# Altium PCB uAMDC.PcbDoc (part 1 of 6) (continued)
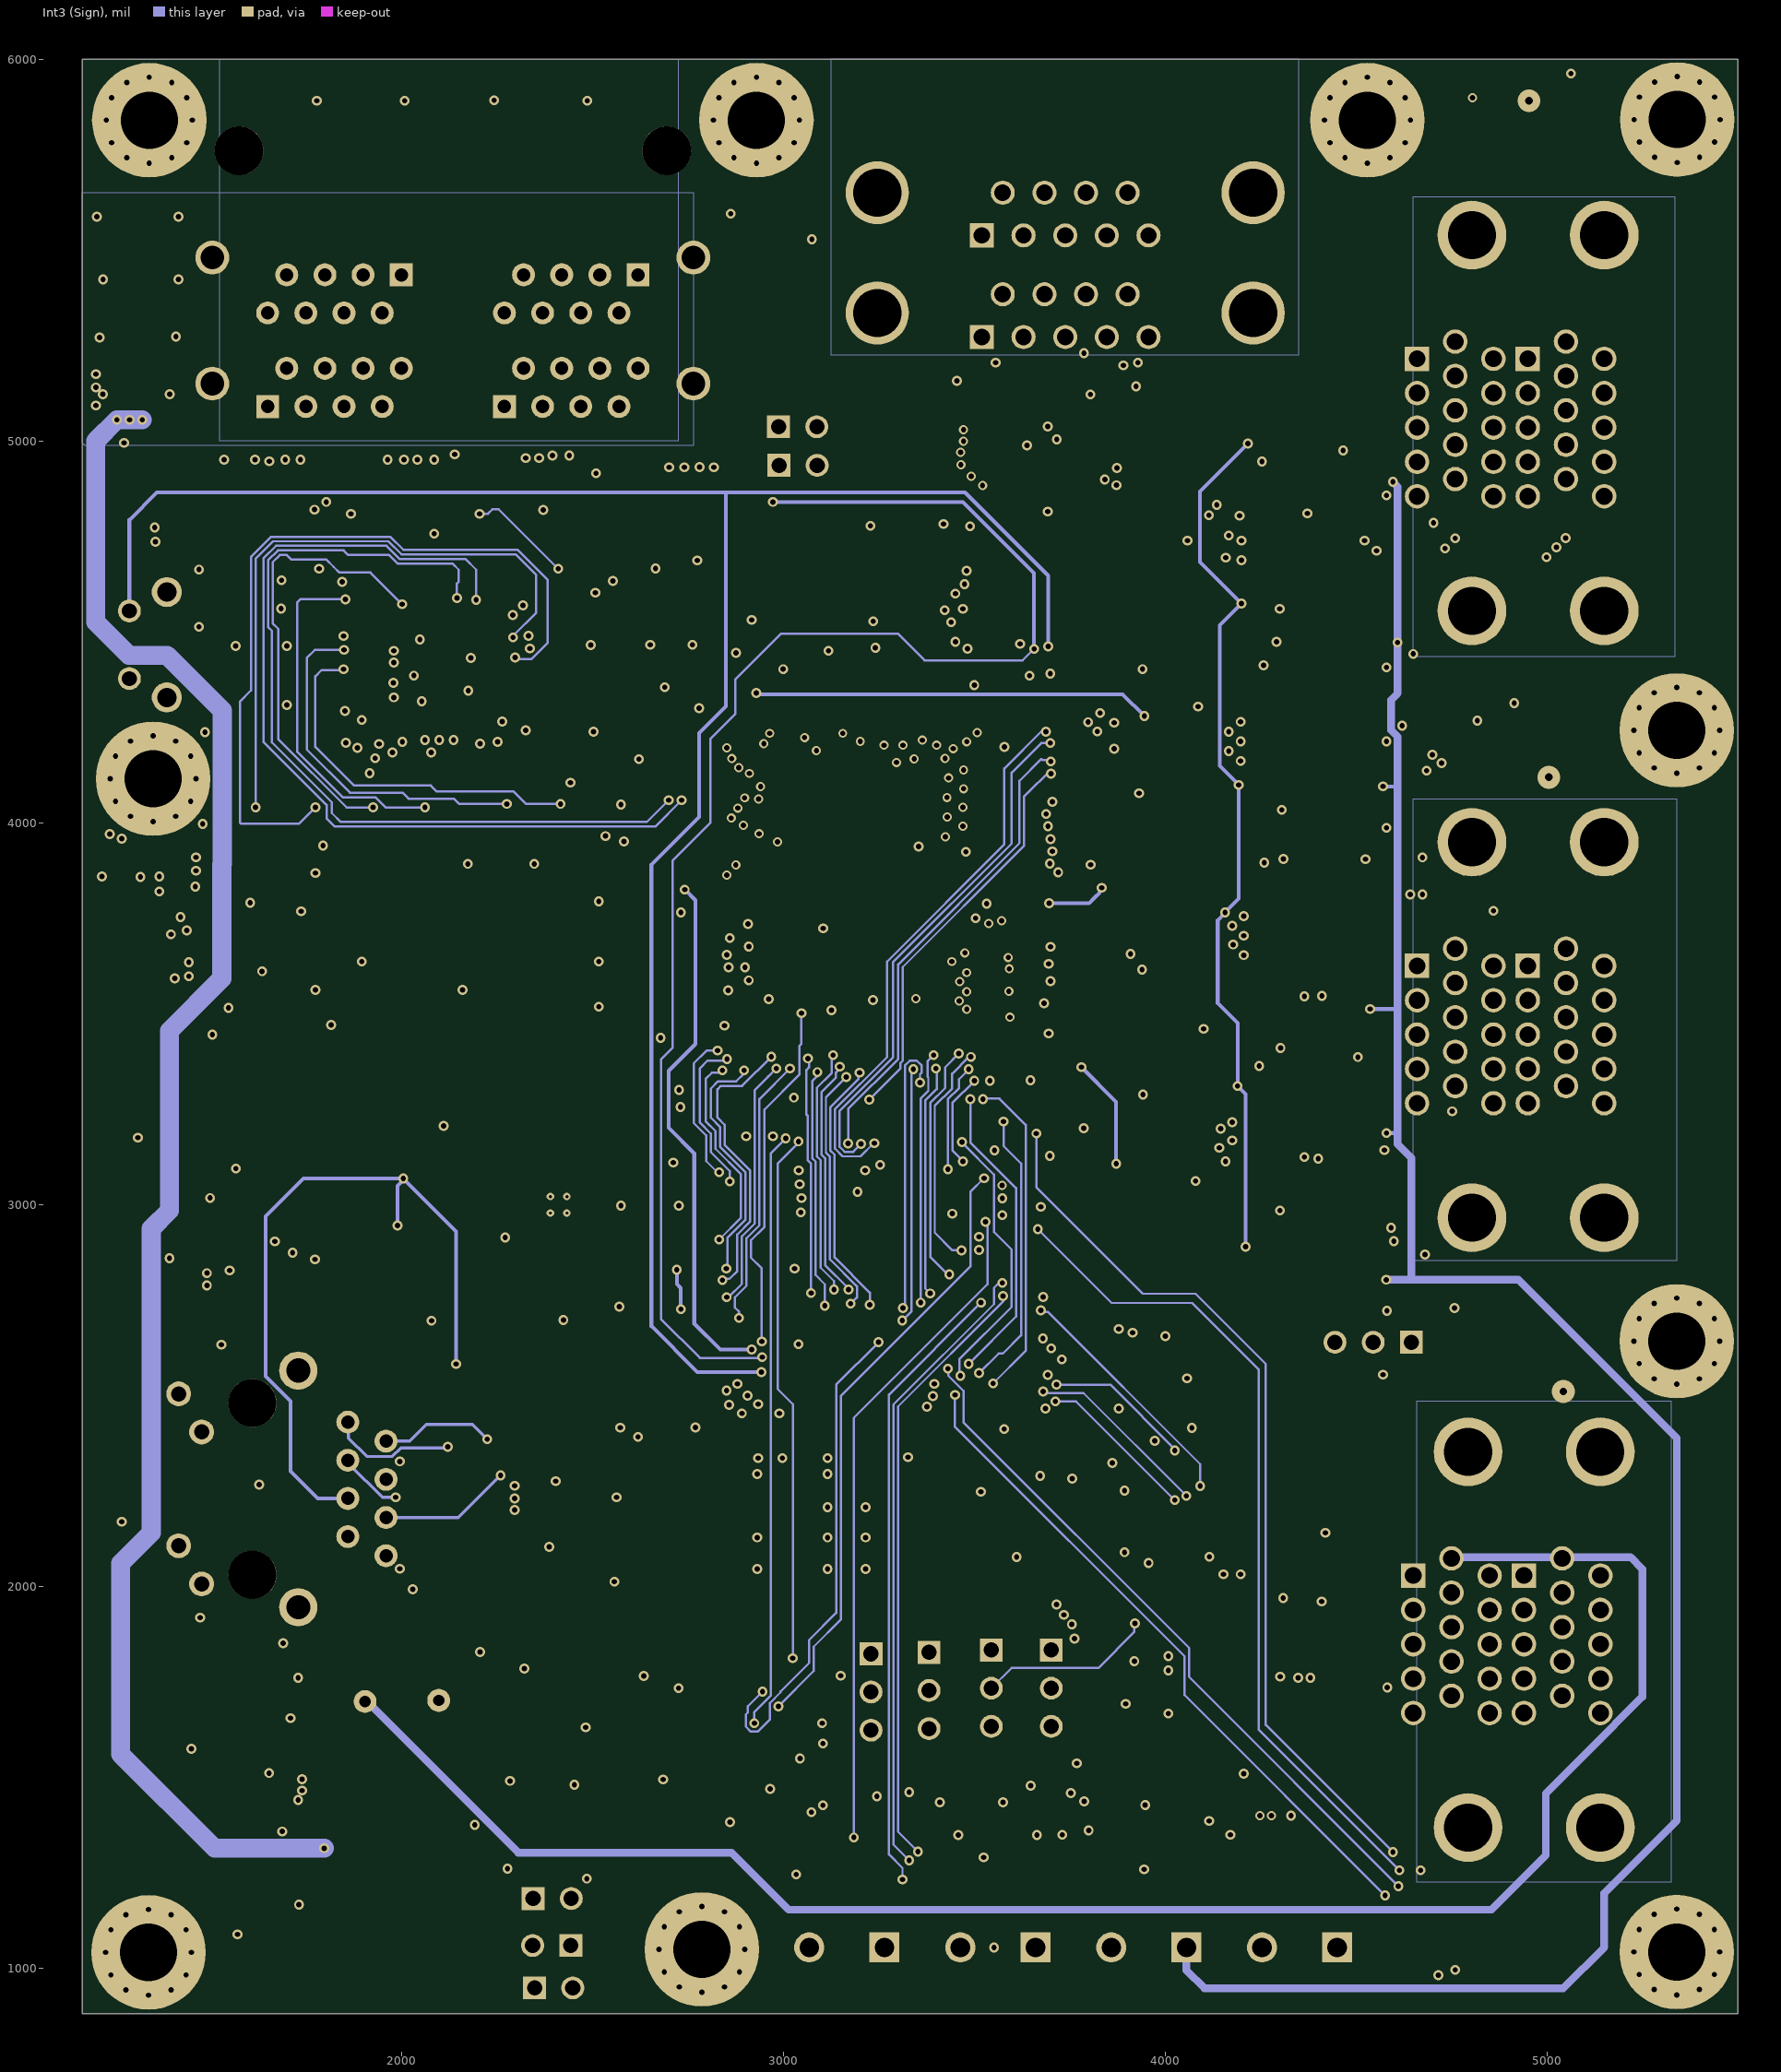
[diagram p4: Int3 (Sign)]
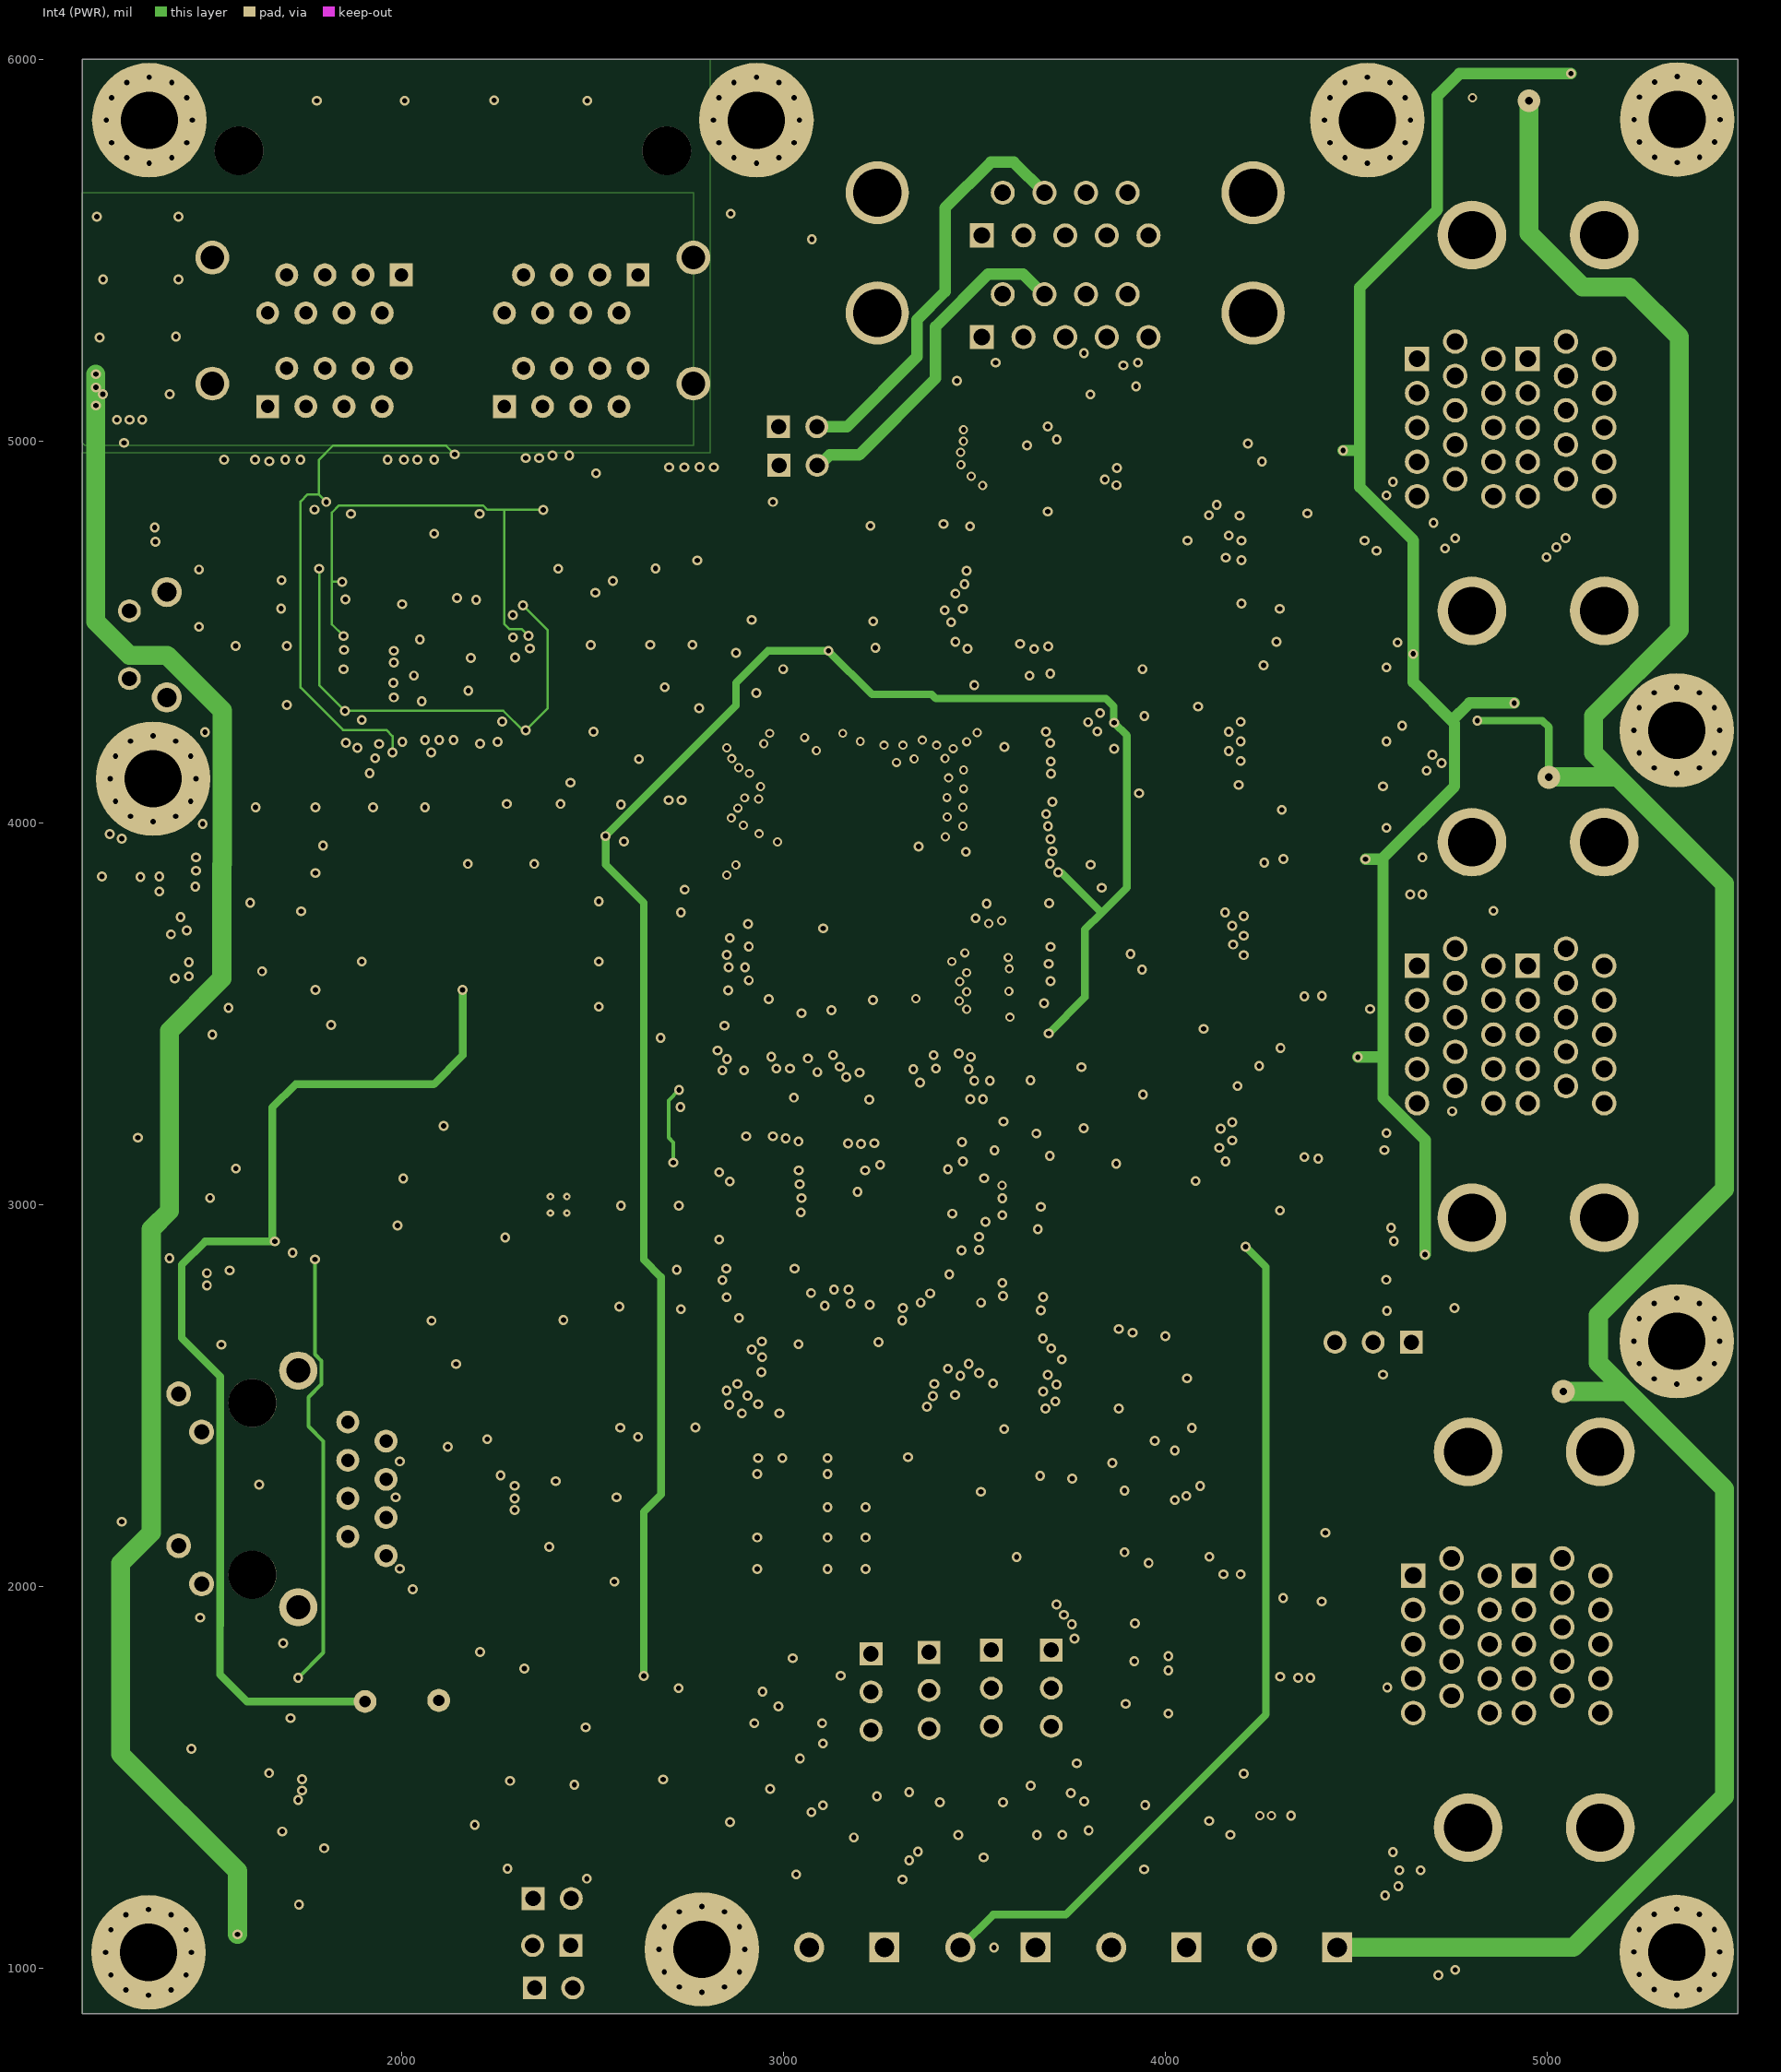
[diagram p5: Int4 (PWR)]

## Layer stack, top to bottom
Top Solder: solder mask 1, SM-001, Dk 4
Top Layer: signal copper 1.378
Dielectric 2: prepreg 2.8, PP-006, Dk 4.1
Int1 (GND): signal copper 1.378
Dielectric 3: core 18, Core-035, Dk 4.7
Int2 (Sign): signal copper 1.378
Dielectric 4: prepreg 2.8, PP-006, Dk 4.1
Dielectric 5: prepreg 2.8, PP-006, Dk 4.1
Int3 (Sign): signal copper 1.378
Dielectric 6: core 18, Core-035, Dk 4.7
Int4 (PWR): signal copper 1.378
Dielectric 7: prepreg 2.8, PP-006, Dk 4.1
Bottom Layer: signal copper 1.378
Bottom Solder: solder mask 1, SM-001, Dk 4

## Board outline
1165,6000 1165,880 5500,880 5500,6000

## Design rules (kind name [scope] priority, off if disabled: settings)
BoardOutlineClearance [All] p1: gap=10 ignorepadtopadclearanceinfootprint=FALSE
Clearance [All] p1: gap=6 ignorepadtopadclearanceinfootprint=FALSE
DiffPairsRouting DiffPairsRouting_Eth [InNetClass('Ethernet_P')] p1: maxlimit=6 minlimit=6 mostfreqgap=6 toplayer_minwidth=8 toplayer_maxwidth=8 toplayer_prefwidth=8 midlayer1_minwidth=8 midlayer1_maxwidth=8 midlayer1_prefwidth=8 midlayer2_minwidth=8 midlayer2_maxwidth=8 midlayer2_prefwidth=8 midlayer3_minwidth=8 midlayer3_maxwidth=8 midlayer3_prefwidth=8 midlayer4_minwidth=8 midlayer4_maxwidth=8 midlayer4_prefwidth=8 bottomlayer_minwidth=8 bottomlayer_maxwidth=8 bottomlayer_prefwidth=8 maxuncoupledlength=500
DiffPairsRouting [Not InNetClass('Ethernet_P')] p2: maxlimit=10 minlimit=6 mostfreqgap=10 toplayer_minwidth=6 toplayer_maxwidth=8 toplayer_prefwidth=6 midlayer1_minwidth=6 midlayer1_maxwidth=8 midlayer1_prefwidth=6 midlayer2_minwidth=6 midlayer2_maxwidth=8 midlayer2_prefwidth=6 midlayer3_minwidth=6 midlayer3_maxwidth=8 midlayer3_prefwidth=6 midlayer4_minwidth=6 midlayer4_maxwidth=8 midlayer4_prefwidth=6 bottomlayer_minwidth=6 bottomlayer_maxwidth=8 bottomlayer_prefwidth=6 maxuncoupledlength=500
Height [All] p1: minheight=0 maxheight=3937.01 prefheight=500
HoleSize [All] p1: absolutevalues=TRUE maxlimit=250 minlimit=14 maxpercent=80.000 minpercent=20.000
Length Ethernet_DiffPair [InNetClass('Ethernet_P')] p1: maxlimit=1403 minlimit=1403
Length RMII_RXD0_Length [InNet('RMII_RXD0')] p2: maxlimit=1317.48 minlimit=1317.48
Length RMII_RXD1_Length [InNet('RMII_RXD1')] p3: maxlimit=1395.32 minlimit=1395.32
Length RMII_CRS_DV_Length [InNet('RMII_CRS_DV')] p4: maxlimit=1351.82 minlimit=1351.82
Length RMII_TX_EN_Length [InNet('RMII_TX_EN')] p5: maxlimit=1600 minlimit=1600
Length RMII_TXD1_Length [InNet('RMII_TXD1')] p6: maxlimit=1600 minlimit=1600
Length RMII_TXD0_Length [InNet('RMII_TXD0')] p7: maxlimit=1600 minlimit=1600
MatchedLengths MatchedLengths_EthDiffWi [InNetClass('Ethernet_P')] p1: tolerance=50 checknetsindiffpair=TRUE checkdiffpairvsdiffpair=FALSE checkxsignals=FALSE checkothers=FALSE
MatchedLengths MatchedLengths_EthGroup [InNetClass('Ethernet_P')] p2: tolerance=0 checknetsindiffpair=FALSE checkdiffpairvsdiffpair=TRUE checkxsignals=TRUE checkothers=TRUE
MinimumSolderMaskSliver [All] p1: minsoldermaskwidth=5
PolygonConnect [All] p1: connectstyle=Relief reliefconductorwidth=10 reliefentries=4 polygonreliefangle="90 Angle" airgapwidth=10
RoutingVias [All] p1: holewidth=14 width=24 viastyle="Through Hole" minholewidth=14 minwidth=24 maxholewidth=30 maxwidth=60
SilkToSilkClearance [All] p1: silktosilkclearance=0
SilkToSolderMaskClearance [IsPad] p1: minsilkscreentomaskgap=6 clearancetoexposedcopper=TRUE
SolderMaskExpansion [All] p1: expansion=6 istentingtop=FALSE
Width [All] p1: maxlimit=100 minlimit=6 preferedwidth=6
24 further rules are at their usual default settings.

## Classes and differential pairs
channel class TranslationDir8Chan: U_TranslationSPI_A U_TranslationSPI_C U_TranslationStsA U_TranslationStsB U_TranslationStsC U_TranslationStsD
channel class LVHV8ChanTranslation: U_LVHV8ChanTranslation4 U_LVHV8ChanTranslation5 U_LVHV8ChanTranslation6
channel class isoSPI: isoSPI1_Interface isoSPI2_Interface isoSPI3_Interface isoSPI4_Interface
channel class InverterConnector: InverterConnector1AB InverterConnector2AB
channel class AnalogSigCond: AnalogSigCond_A AnalogSigCond_B
net class LV_INV_STS_D[1..4]: LV_INV_STS_D1 LV_INV_STS_D2 LV_INV_STS_D3 LV_INV_STS_D4
net class LV_INV_STS_C[1..4]: LV_INV_STS_C1 LV_INV_STS_C2 LV_INV_STS_C3 LV_INV_STS_C4
net class LV_INV_STS_B[1..4]: LV_INV_STS_B1 LV_INV_STS_B2 LV_INV_STS_B3 LV_INV_STS_B4
net class LV_INV_STS_A[1..4]: LV_INV_STS_A1 LV_INV_STS_A2 LV_INV_STS_A3 LV_INV_STS_A4
net class LV_INV4_PWM[1..6]: LV_INV4_PWM1 LV_INV4_PWM2 LV_INV4_PWM3 LV_INV4_PWM4 LV_INV4_PWM5 LV_INV4_PWM6
net class LV_INV3_PWM[1..6]: LV_INV3_PWM1 LV_INV3_PWM2 LV_INV3_PWM3 LV_INV3_PWM4 LV_INV3_PWM5 LV_INV3_PWM6
net class LV_INV2_PWM[1..6]: LV_INV2_PWM1 LV_INV2_PWM2 LV_INV2_PWM3 LV_INV2_PWM4 LV_INV2_PWM5 LV_INV2_PWM6
net class LV_INV1_PWM[1..6]: LV_INV1_PWM1 LV_INV1_PWM2 LV_INV1_PWM3 LV_INV1_PWM4 LV_INV1_PWM5 LV_INV1_PWM6
net class INV_STS_D[1..4]: INV_STS_D1 INV_STS_D2 INV_STS_D3 INV_STS_D4
net class INV_STS_C[1..4]: INV_STS_C1 INV_STS_C2 INV_STS_C3 INV_STS_C4
net class INV_STS_B[1..4]: INV_STS_B1 INV_STS_B2 INV_STS_B3 INV_STS_B4
net class INV_STS_A[1..4]: INV_STS_A1 INV_STS_A2 INV_STS_A3 INV_STS_A4
net class INV4_PWM[1..6]: INV4_PWM1 INV4_PWM2 INV4_PWM3 INV4_PWM4 INV4_PWM5 INV4_PWM6
net class INV3_PWM[1..6]: INV3_PWM1 INV3_PWM2 INV3_PWM3 INV3_PWM4 INV3_PWM5 INV3_PWM6
net class INV2_PWM[1..6]: INV2_PWM1 INV2_PWM2 INV2_PWM3 INV2_PWM4 INV2_PWM5 INV2_PWM6
net class INV1_PWM[1..6]: INV1_PWM1 INV1_PWM2 INV1_PWM3 INV1_PWM4 INV1_PWM5 INV1_PWM6
net class FMC_NE[1..4]: FMC_NE1 FMC_NE2 FMC_NE3 FMC_NE4
net class FMC_NBL[0..1]: FMC_NBL0 FMC_NBL1
net class FMC_D[0..7]: FMC_D0 FMC_D1 FMC_D2 FMC_D3 FMC_D4 FMC_D5 FMC_D6 FMC_D7
net class FMC_A[0..7]: FMC_A0 FMC_A1 FMC_A2 FMC_A3 FMC_A4 FMC_A5 FMC_A6 FMC_A7
net class ANLG_P[1..8]: ANLG_P1 ANLG_P2 ANLG_P3 ANLG_P4 ANLG_P5 ANLG_P6 ANLG_P7 ANLG_P8
net class ANLG_N[1..8]: ANLG_N1 ANLG_N2 ANLG_N3 ANLG_N4 ANLG_N5 ANLG_N6 ANLG_N7 ANLG_N8
net class ADC_SDO[1..8]: ADC_SDO1 ADC_SDO2 ADC_SDO3 ADC_SDO4 ADC_SDO5 ADC_SDO6 ADC_SDO7 ADC_SDO8
net class ADC_IN[1..8]: ADC_IN1 ADC_IN2 ADC_IN3 ADC_IN4 ADC_IN5 ADC_IN6 ADC_IN7 ADC_IN8
component class U_USB: C144 C145 C146 CON8 R83 U41
component class U_USB_UART: C98 C99 C100 C101 C102 C103 CON6 LED2 LED3 LED4 R50 R51 R52 R53 R54 R55 R56 U21 U22
component class U_TranslationStsD: C7F C8F U4F
component class U_TranslationStsC: C7E C8E U4E
component class U_TranslationStsB: C7D C8D U4D
component class U_TranslationStsA: C7C C8C U4C
component class U_TranslationSPI_C: C7B C8B U4B
component class U_TranslationSPI_A: C7A C8A U4A
component class U_SWD: J1
component class U_Power: C112 C113 C116 C117 C122 C123 C124 C125 C126 C127 C128 C129 C130 C131 C132 C133 C134 C135 C136 C137 C138 C139 CON10 JP8 JP9 JP10 L1 L2 R66 R67 R68 R69 R70 R71 R72 R73 R74 R75 R76 R77 U29 U31 U32 U33 U34 U35 U36 U37 U38
component class U_Power_Protection: C142 C143 Q2 R78 R79 R80 R81 R82 U40
component class U_Power_InrushLimit: C140 C141 U39
component class U_LVHV8ChanTranslation6: C1C C2C C3C C4C C5C C6C U1C U2C U3C
component class U_LVHV8ChanTranslation5: C1B C2B C3B C4B C5B C6B U1B U2B U3B
component class U_LVHV8ChanTranslation4: C1A C2A C3A C4A C5A C6A gnd U1A U2A U3A
component class U_InverterTranslation: JP2 JP3 JP4 JP5
component class U_InverterConnectors: R2 R3 R4 R5 R6 R7 R8 R9
component class U_GPIO: C159 C160 CON9 R103 R104 R105 R106 R107 T1 T2 U44 U45
component class U_FPGA: C44 C45 C46 C48 C49 C52 C53 C54 C57 C58 C59 C62 C63 R39 R40 R41 U16 X1
component class U_Ethernet: C147 C148 C149 C150 C151 C152 C153 C154 C155 C156 C157 C158 E1 J2 R84 R85 R86 R87 R88 R89 R90 R91 R92 R93 R94 R95 R96 R97 R98 R99 R100 R101 R102 U42 U43 X2
component class U_Encoder: C9 C10 C11 C12 CON4 JP6 JP7 R10 R11 R12 R13 R14 R15 R16 U5 U6 U7
component class U_DSP: C68 C69 C70 C71 C72 C73 C74 C75 C76 C77 C78 C79 C80 C81 C82 C83 LED1 R42 R43 R44 R45 R46 U17 U18 U19
component class U_DriveInterface: CON1 CON2 JP1
component class U_BoardIO: C104 C105 C106 C107 C108 C109 C110 C111 CON7 LED5 LED6 Q1 R57 R58 R59 R60 R61 SW1 U23 U24 U25 U26 U27 U28
component class U_BackPage: MH1 MH2 MH3 MH4 MH5 MH6 MH7 MH8 MH9 MH10 SCREW1 SCREW2 SCREW3 SCREW4 SCREW5 SCREW6 SCREW7 SCREW8 SCREW9 SCREW10 SCREW11 SCREW12 SCREW13 STANDOFF1 STANDOFF2 STANDOFF3 STANDOFF4 STANDOFF5 STANDOFF6 STANDOFF7 STANDOFF8 STANDOFF9 STANDOFF10 STANDOFF11 STANDOFF12 STANDOFF13
component class U_AnalogInterface: R34 U13
component class U_AnalogConnectors: CON5 R25 R26 R27 R28 R29 R30 R31 R32 R33 U9 U10 U11 U12
component class U_AnalogConditioning: R19 R20 R21 R22 R23 R24
component class U_AnalogADC: C13 C14 C15 C16 C17 C18 C19 C20 C21 C22 C23 C24 C25 C26 C27 C28 C29 C30 C31 C32 C33 C34 C35 R17 R18 TP1 TP2 TP3 TP4 U8
component class isoSPI4_Interface: C96D C97D R47D R48D R49D U20D
component class isoSPI3_Interface: C96C C97C R47C R48C R49C U20C
component class isoSPI2_Interface: C96B C97B R47B R48B R49B U20B
component class isoSPI1_Interface: C96A C97A R47A R48A R49A U20A
component class InverterConnector2AB: CON3B R1B
component class InverterConnector1AB: CON3A R1A
component class AnalogSigCond_B: C36B C37B C38B C39B C40B C41B C42B C43B R35B R36B R37B R38B U14B U15B
component class AnalogSigCond_A: C36A C37A C38A C39A C40A C41A C42A C43A R35A R36A R37A R38A U14A U15A
differential pair USB_D: +USB_D_P -USB_D_N
differential pair UART_USB_D: +UART_USB_D_P -UART_USB_D_N
differential pair TX: +TX_P -TX_N
differential pair RX: +RX_P -RX_N
differential pair GPIO_OUT4: +GPIO_OUT4_P -GPIO_OUT4_N
differential pair GPIO_OUT3: +GPIO_OUT3_P -GPIO_OUT3_N
differential pair GPIO_OUT2: +GPIO_OUT2_P -GPIO_OUT2_N
differential pair GPIO_OUT1: +GPIO_OUT1_P -GPIO_OUT1_N
differential pair GPIO_IN4: +GPIO_IN4_P -GPIO_IN4_N
differential pair GPIO_IN3: +GPIO_IN3_P -GPIO_IN3_N
differential pair GPIO_IN2: +GPIO_IN2_P -GPIO_IN2_N
differential pair GPIO_IN1: +GPIO_IN1_P -GPIO_IN1_N
differential pair ANLG8: +ANLG_P8 -ANLG_N8
differential pair ANLG7: +ANLG_P7 -ANLG_N7
differential pair ANLG6: +ANLG_P6 -ANLG_N6
differential pair ANLG5: +ANLG_P5 -ANLG_N5
differential pair ANLG4: +ANLG_P4 -ANLG_N4
differential pair ANLG3: +ANLG_P3 -ANLG_N3
differential pair ANLG2: +ANLG_P2 -ANLG_N2
differential pair ANLG1: +ANLG_P1 -ANLG_N1

## Components (designator, comment, footprint, x,y, rotation, side; value= is the part's Value field where it differs from the comment)
C1A "Capacitor" 0603-CAP 3726.83,4342.75 r180 bottom value=100nF (schematic designator C1)
C1B "Capacitor" 0603-CAP 3725.13,3834 r180 bottom value=100nF (schematic designator C1)
C1C "Capacitor" 0603-CAP 3720.54,3359.75 r180 bottom value=100nF (schematic designator C1)
C2A "Capacitor" 0603-CAP 4538,4859 r270 bottom value=1uF (schematic designator C2)
C2B "Capacitor" 0603-CAP 4536,4440 r270 bottom value=1uF (schematic designator C2)
C2C "Capacitor" 0603-CAP 4453,3598 r270 bottom value=1uF (schematic designator C2)
C3A "Capacitor" 0603-CAP 4459,4859 r270 bottom value=100nF (schematic designator C3)
C3B "Capacitor" 0603-CAP 4466,4440.13 r270 bottom value=100nF (schematic designator C3)
C3C "Capacitor" 0603-CAP 4514,3599 r270 bottom value=100nF (schematic designator C3)
C4A "Capacitor" 0603-CAP 3597,4328 r180 bottom value=100nF (schematic designator C4)
C4B "Capacitor" 0603-CAP 3590.13,3834 r180 bottom value=100nF (schematic designator C4)
C4C "Capacitor" 0603-CAP 3574.87,3359.75 r180 bottom value=100nF (schematic designator C4)
C5A "Capacitor" 0603-CAP 4451,3176 r270 bottom value=1uF (schematic designator C5)
C5B "Capacitor" 0603-CAP 4462,4020 r270 bottom value=1uF (schematic designator C5)
C5C "Capacitor" 0603-CAP 4453,2755.54 r270 bottom value=1uF (schematic designator C5)
C6A "Capacitor" 0603-CAP 4518,3176 r270 bottom value=100nF (schematic designator C6)
C6B "Capacitor" 0603-CAP 4537,4020 r270 bottom value=100nF (schematic designator C6)
C6C "Capacitor" 0603-CAP 4520,2756.87 r270 bottom value=100nF (schematic designator C6)
C7A "Capacitor" 0603-CAP 4058,1292 r270 bottom value=0.1uF (schematic designator C7)
C7B "Capacitor" 0603-CAP 4181.25,1804.84 r90 bottom value=0.1uF (schematic designator C7)
C7C "Capacitor" 0603-CAP 4425.83,3313 r180 top value=0.1uF (schematic designator C7)
C7D "Capacitor" 0603-CAP 4438.83,3856.83 r180 top value=0.1uF (schematic designator C7)
C7E "Capacitor" 0603-CAP 4437.54,4370.24 r180 top value=0.1uF (schematic designator C7)
C7F "Capacitor" 0603-CAP 4432.83,4887.98 r180 top value=0.1uF (schematic designator C7)
C8A "Capacitor" 0603-CAP 3845.7,1284.13 r270 bottom value=0.1uF (schematic designator C8)
C8B "Capacitor" 0603-CAP 3775,1758 r270 bottom value=0.1uF (schematic designator C8)
C8C "Capacitor" 0603-CAP 4280,3313 r0 top value=0.1uF (schematic designator C8)
C8D "Capacitor" 0603-CAP 4293.17,3856.83 r0 top value=0.1uF (schematic designator C8)
C8E "Capacitor" 0603-CAP 4291.87,4369.94 r0 top value=0.1uF (schematic designator C8)
C8F "Capacitor" 0603-CAP 4287.17,4887.98 r0 top value=0.1uF (schematic designator C8)
C9 "Capacitor" 0603-CAP 3618,4815 r180 top value=100nF
C10 "Capacitor" 0603-CAP 4005.92,4809.54 r180 top value=100nF
C11 "Capacitor" 0603-CAP 3771,5155 r180 bottom value=100nF
C12 "Capacitor" 0603-CAP 3523,5157 r180 bottom value=100nF
C13 "Capacitor" 0603-CAP 2409.34,4371.47 r0 top value=10uF
C14 "Capacitor" 0603-CAP 2171.58,4670.13 r90 top value=10uF
C15 "Capacitor" 0603-CAP 2033.79,4669.36 r90 top value=10uF
C16 "Capacitor" 0603-CAP 1775,4236.79 r180 top value=10uF
C17 "Capacitor" 0603-CAP 2101,4670.13 r90 top value=1uF
C18 "Capacitor" 0603-CAP 1897.09,4669.36 r90 top value=0.1uF
C19 "Capacitor" 0603-CAP 1966,4669.36 r90 top value=0.1uF
C20 "Capacitor" 0603-CAP 1775,4292.73 r180 top value=10uF
C21 "Capacitor" 0603-CAP 1775,4363 r180 top value=0.1uF
C22 "Capacitor" 0603-CAP 2003,4145 r180 top value=0.1uF
C23 "Capacitor" 0603-CAP 2239.5,4669.36 r90 top value=0.1uF
C24 "Capacitor" 0603-CAP 2409.34,4489.58 r0 top value=0.1uF
C25 "Capacitor" 0603-CAP 1775,4559 r180 top value=10uF
C26 "Capacitor" 0603-CAP 1773,4623 r180 top value=0.1uF
C27 "Capacitor" 0603-CAP 2144.69,4148.25 r180 top value=0.1uF
C28 "Capacitor" 0603-CAP 2409.34,4430.53 r0 top value=0.1uF
C29 "Capacitor" 0603-CAP 2308,4670.13 r90 top value=0.1uF
C30 "Capacitor" 0603-CAP 2409.34,4238 r0 top value=10uF
C31 "Capacitor" 0603-CAP 2409.34,4304 r0 top value=0.1uF
C32 "Capacitor" 0603-CAP 1775,4498 r180 top value=0.1uF
C33 "Capacitor" 0603-CAP 1775,4430.53 r180 top value=0.1uF
C34 "Capacitor" 0603-CAP 2408,4549 r0 top value=10uF
C35 "Capacitor" 0603-CAP 2406.87,4612 r0 top value=0.1uF
C36A "Capacitor" 0603-CAP 1662.75,3974.87 r270 bottom value=33nF (schematic designator C36)
C36B "Capacitor" 0603-CAP 1958.75,3974.13 r270 bottom value=33nF (schematic designator C36)
C37A "Capacitor" 0603-CAP 1719,4352 r0 bottom value=1uF (schematic designator C37)
C37B "Capacitor" 0603-CAP 2078,4347.21 r0 bottom value=1uF (schematic designator C37)
C38A "Capacitor" 0603-CAP 1541,4331 r0 bottom value=1uF (schematic designator C38)
C38B "Capacitor" 0603-CAP 1895.72,4347.21 r0 bottom value=1uF (schematic designator C38)
C39A "Capacitor" 0603-CAP 1737.75,3974.87 r270 bottom value=33nF (schematic designator C39)
C39B "Capacitor" 0603-CAP 2018.75,3974.13 r270 bottom value=33nF (schematic designator C39)
C40A "Capacitor" 0603-CAP 2310,3983.87 r270 bottom value=33nF (schematic designator C40)
C40B "Capacitor" 0603-CAP 2674,3984.34 r270 bottom value=33nF (schematic designator C40)
C41A "Capacitor" 0603-CAP 2267.87,4347 r180 bottom value=1uF (schematic designator C41)
C41B "Capacitor" 0603-CAP 2603.43,4355 r180 bottom value=1uF (schematic designator C41)
C42A "Capacitor" 0603-CAP 2383,3983.87 r270 bottom value=33nF (schematic designator C42)
C42B "Capacitor" 0603-CAP 2749,3984.34 r270 bottom value=33nF (schematic designator C42)
C43A "Capacitor" 0603-CAP 2442,4347 r180 bottom value=1uF (schematic designator C43)
C43B "Capacitor" 0603-CAP 2796,4355 r180 bottom value=1uF (schematic designator C43)
C45 "Capacitor" 0603-CAP 2638,4081 r90 top value=0.1uF
C46 "Capacitor" 0603-CAP 3758,3489.05 r270 top value=0.1uF
C48 "Capacitor" 0603-CAP 3275,4404 r0 top value=0.1uF
C49 "Capacitor" 0603-CAP 3758,3625 r270 top value=0.1uF
C52 "Capacitor" 0603-CAP 2780,3403 r270 top value=0.1uF
C53 "Capacitor" 0603-CAP 3085.03,4402.14 r180 top value=0.1uF
C54 "Capacitor" 0603-CAP 3445,4415 r0 top value=0.1uF
C57 "Capacitor" 0603-CAP 3321,3723 r180 bottom value=0.1uF
C58 "Capacitor" 0603-CAP 3758,4269.45 r90 top value=0.1uF
C59 "Capacitor" 0603-CAP 2909.96,4402.14 r0 top value=0.1uF
C62 "Capacitor" 0603-CAP 2638,3911.8 r270 top value=0.1uF
C63 "Capacitor" 0603-CAP 3758,3754.32 r270 top value=0.1uF
C68 "Capacitor" 0603-CAP 2710,2541.17 r90 top value=2.2uF
C69 "Capacitor" 0603-CAP 3422,2294.09 r180 top value=2.2uF
C70 "Capacitor" 0603-CAP 2668.05,3246.24 r270 top value=100nF
C71 "Capacitor" 0603-CAP 3360,2935 r180 bottom value=100nF
C72 "Capacitor" 0603-CAP 3562,2873.78 r90 bottom value=100nF